# Allegro board Learn.brd (continued)
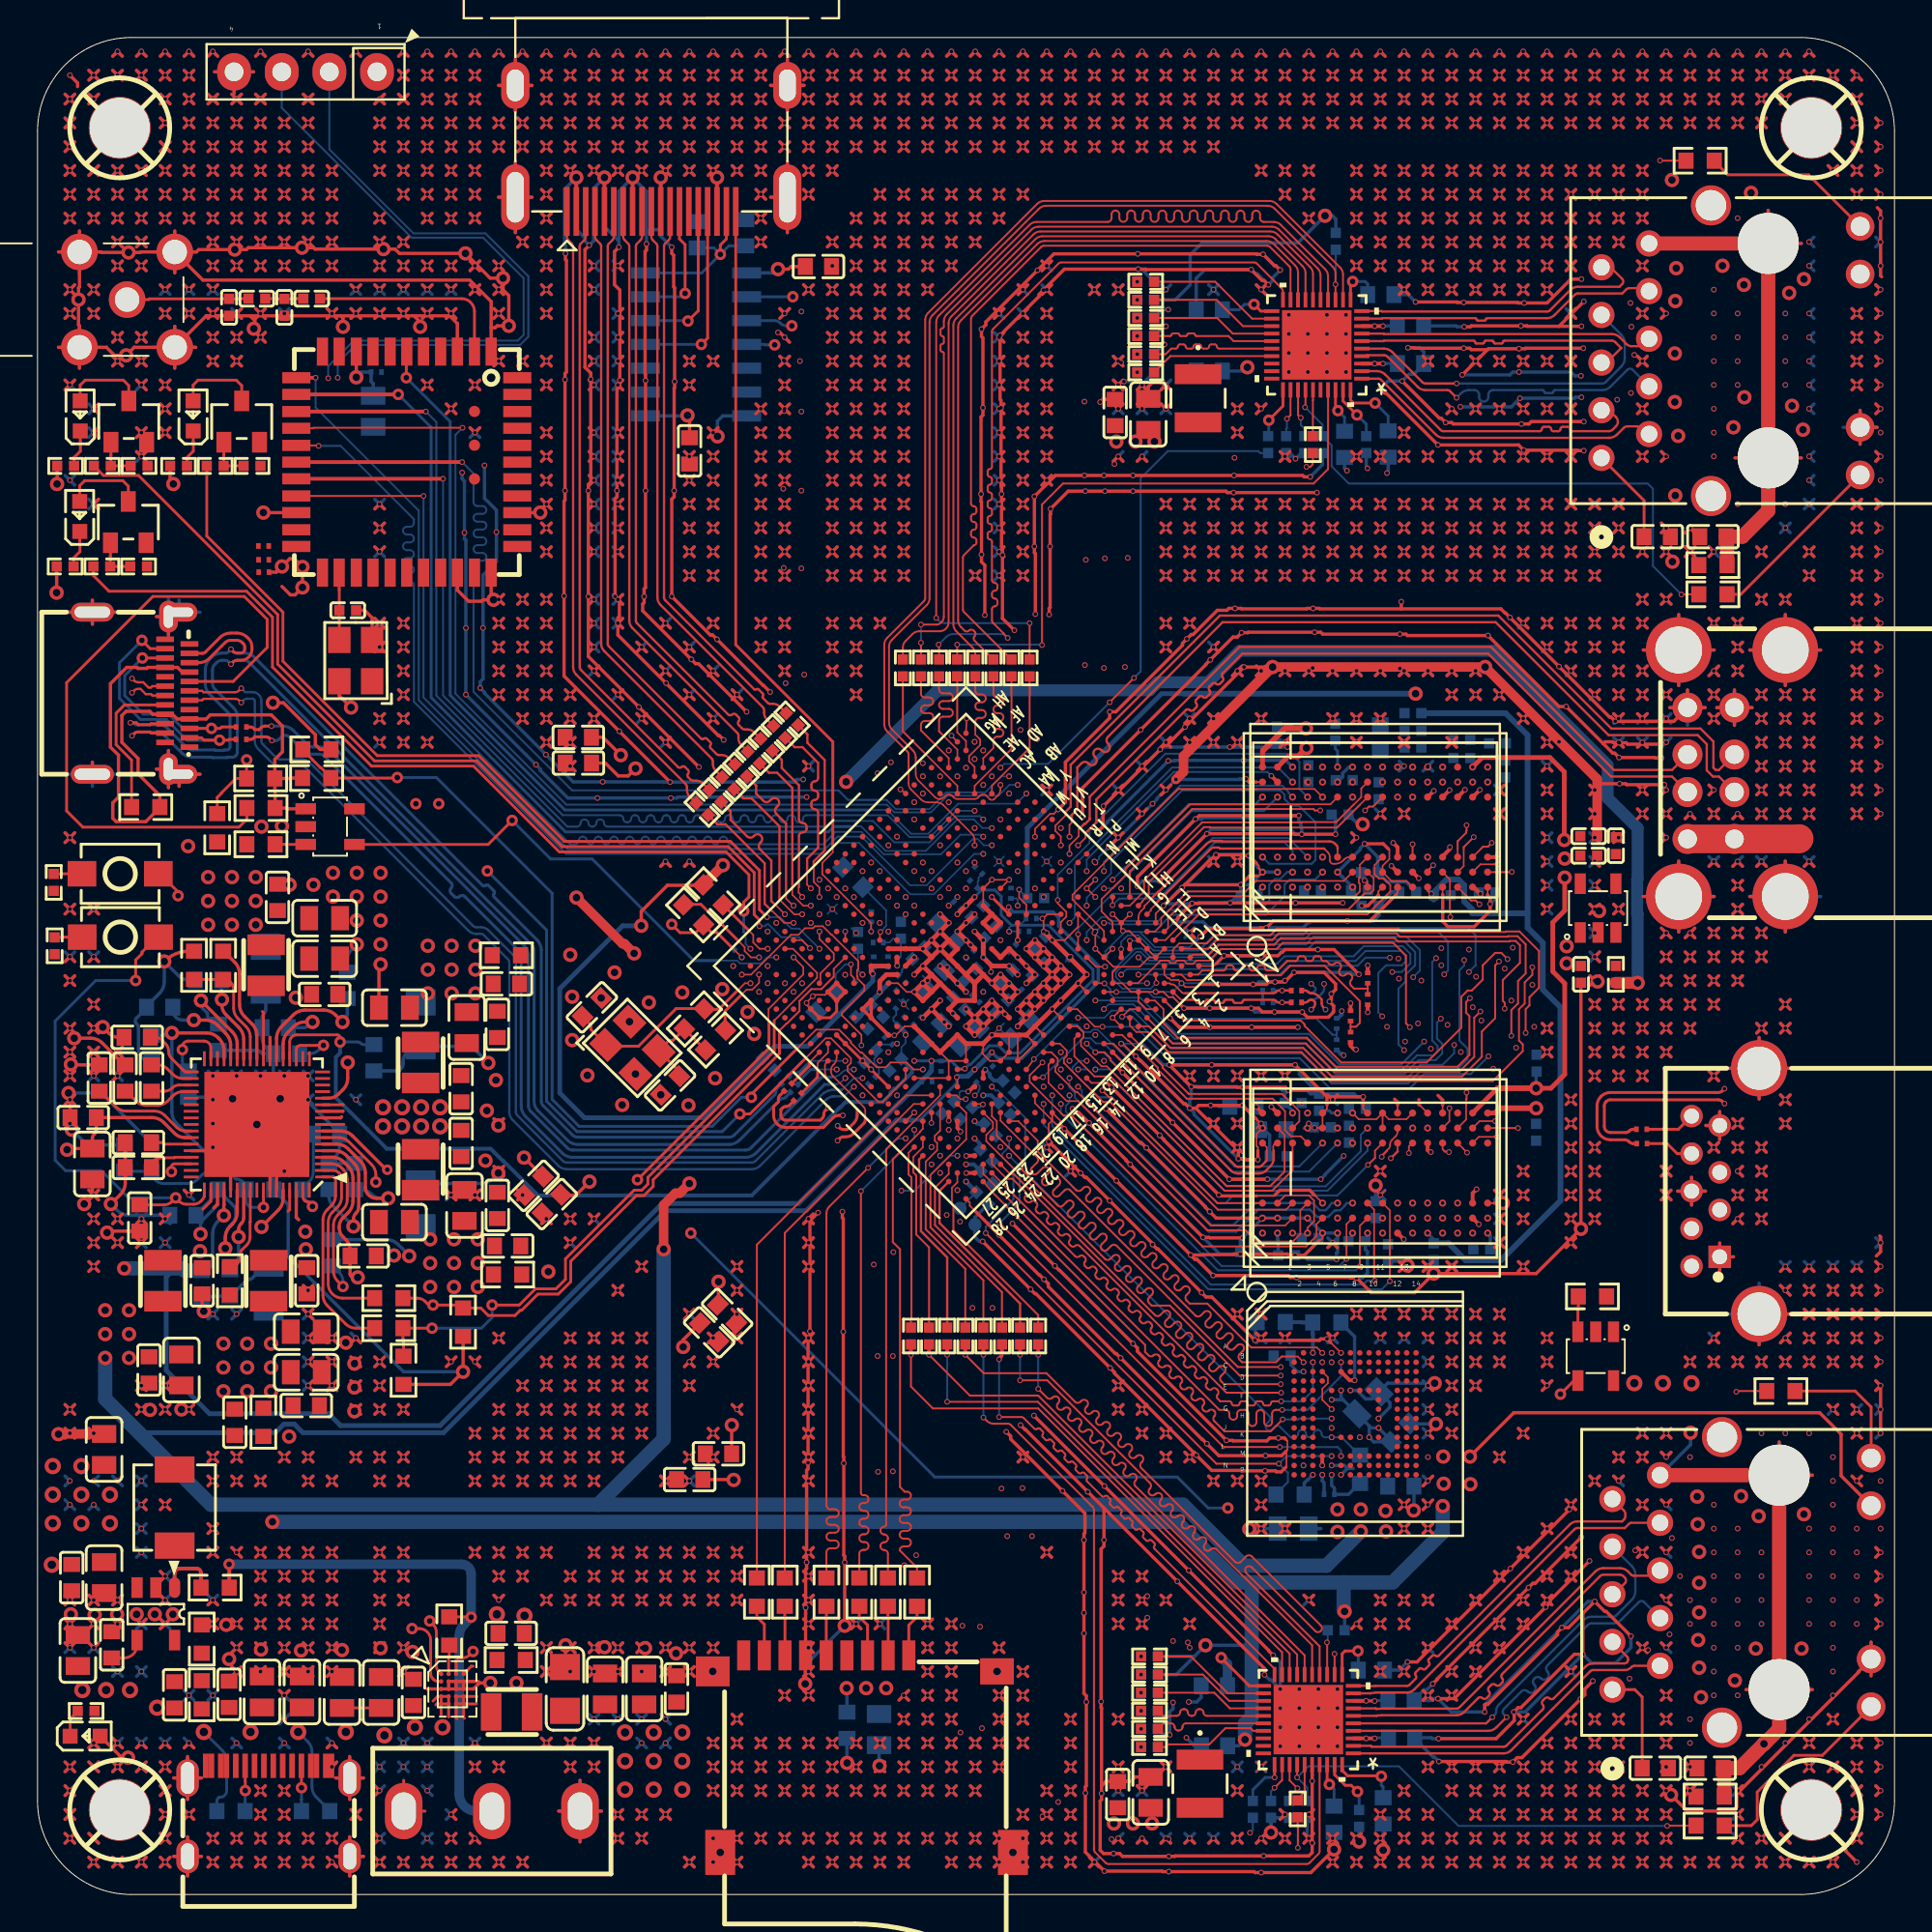
[diagram p0: board, top side]
## Routing (per net, layer and track width the routed paths; a pad name or vN(x,y) marks a point on that pad's centre or on a via; arc(x,y) is an arc through that point) (continued)
U1.2 16.64,7.35 ; 29.41,13.41 v1(29.66,13.15) ; v1(29.66,13.15) 29.41,12.9 ; v1(29.66,13.15) 29.92,12.9 ; v1(29.66,13.15) 29.92,13.41 ; v1(69.03,74.11) 69.29,74.37 ; v1(69.03,74.11) 68.78,73.86 ; v1(69.03,74.11) 68.78,74.37 ; v1(69.03,74.11) 69.29,73.86 ; 12.39,39.63 12.74,39.28 U4.63 ; 12.39,39.63 U4.62 ; v1(86.81,15.69) 87.07,15.44 ; v1(86.81,15.69) 87.07,15.95 ; v1(86.81,15.69) 86.56,15.95 ; v1(42.36,76.65) 42.62,76.91 ; v1(42.36,76.65) 42.11,76.91 ; v1(42.36,76.65) 42.11,76.4 ; v1(42.36,76.65) 42.62,76.4 ; 72.59,76.4 v1(72.84,76.65) ; v1(72.84,76.65) 72.59,76.91 ; v1(72.84,76.65) 73.1,76.91 ; v1(72.84,76.65) 73.1,76.4 ; 33.73,54.81 v1(33.47,55.06) 33.22,54.81 ; 51.51,83.26 v1(51.25,83) 51.51,82.75 ; 76.4,85.29 v1(76.65,85.54) ; v1(76.65,85.54) 76.91,85.29 ; v1(76.65,85.54) 76.91,85.8 ; v1(76.65,85.54) 76.4,85.8 ; 23.06,7.82 v1(23.31,8.07) 23.57,7.82 ; v1(80.46,19.5) 80.72,19.25 ; v1(80.46,19.5) 80.21,19.76 ; v1(80.46,19.5) 80.72,19.76 ; v1(80.46,19.5) 80.21,19.25 ; 30.68,24.33 v1(30.93,24.58) ; v1(30.93,24.58) 30.68,24.84 ; v1(30.93,24.58) 31.19,24.84 ; v1(30.93,24.58) 31.19,24.33 ; v1(90.62,36.01) 90.88,36.27 ; v1(90.62,36.01) 90.88,35.76 ; v1(90.62,36.01) 90.37,35.76 ; 81.48,79.45 v1(81.73,79.19) ; v1(81.73,79.19) 81.48,78.94 ; v1(81.73,79.19) 81.99,79.45 ; v1(81.73,79.19) 81.99,78.94 ; 73.86,72.59 v1(74.11,72.84) ; v1(74.11,72.84) 74.37,73.1 ; v1(74.11,72.84) 74.37,72.59 ; v1(74.11,72.84) 73.86,73.1 ; 24.33,38.3 v1(24.58,38.55) ; v1(24.58,38.55) 24.33,38.81 ; v1(24.58,38.55) 24.84,38.81 ; v1(24.58,38.55) 24.84,38.3 ; v1(80.46,76.65) 80.72,76.4 ; v1(80.46,76.65) 80.21,76.4 ; v1(80.46,76.65) 80.72,76.91 ; v1(80.46,76.65) 80.21,76.91 ; 9.09,89.1 v1(9.34,89.35) ; v1(9.34,89.35) 9.6,89.61 ; v1(9.34,89.35) 9.09,89.61 ; v1(9.34,89.35) 9.6,89.1 ; 6.55,85.8 v1(6.8,85.54) 7.06,85.8 ; 35.76,7.82 v1(36.01,8.07) ; v1(36.01,8.07) 35.76,8.33 ; v1(36.01,8.07) 36.27,8.33 ; v1(36.01,8.07) 36.27,7.82 ; 45.92,8.33 v1(46.17,8.07) ; v1(46.17,8.07) 45.92,7.82 ; v1(46.17,8.07) 46.43,8.33 ; v1(46.17,8.07) 46.43,7.82 ; v1(15.69,88.08) 15.95,87.83 ; v1(15.69,88.08) 15.44,87.83 ; v1(15.69,88.08) 15.44,88.34 ; v1(15.69,88.08) 15.95,88.34 ; 85.8,97.99 v1(85.54,98.24) 85.29,97.99 ; 80.21,70.56 v1(80.46,70.3) ; v1(80.46,70.3) 80.21,70.05 ; v1(80.46,70.3) 80.72,70.05 ; v1(80.46,70.3) 80.72,70.56 ; 52.27,85.8 v1(52.52,85.54) ; v1(52.52,85.54) 52.78,85.8 ; v1(52.52,85.54) 52.27,85.29 ; 43.38,70.56 v1(43.63,70.3) ; v1(43.63,70.3) 43.89,70.05 ; v1(43.63,70.3) 43.38,70.05 ; v1(43.63,70.3) 43.89,70.56 ; 53.54,96.72 v1(53.79,96.97) ; v1(53.79,96.97) 53.54,97.23 ; v1(53.79,96.97) 54.05,97.23 ; v1(53.79,96.97) 54.05,96.72 ; v1(29.66,96.97) 29.92,97.23 ; v1(29.66,96.97) 29.41,96.72 ; v1(29.66,96.97) 29.41,97.23 ; v1(29.66,96.97) 29.92,96.72 ; 35.76,95.96 v1(36.01,95.7) ; v1(36.01,95.7) 36.27,95.45 ; v1(36.01,95.7) 36.27,95.96 ; v1(36.01,95.7) 35.76,95.45 ; v1(15.69,29.66) 15.95,29.41 ; v1(15.69,29.66) 15.44,29.41 ; v1(15.69,29.66) 15.44,29.92 ; v1(15.69,29.66) 15.95,29.92 ; v1(2.99,47.44) 3.25,47.19 ; v1(2.99,47.44) 3.25,47.7 ; v1(2.99,47.44) 2.74,47.7 ; v1(2.99,47.44) 2.74,47.19 ; 67.51,89.1 v1(67.76,89.35) ; v1(67.76,89.35) 68.02,89.61 ; v1(67.76,89.35) 68.02,89.1 ; v1(67.76,89.35) 67.51,89.61 ; 35.76,94.18 v1(36.01,94.43) ; v1(36.01,94.43) 36.27,94.69 ; v1(36.01,94.43) 36.27,94.18 ; v1(36.01,94.43) 35.76,94.69 ; 15.44,91.64 v1(15.69,91.89) ; v1(15.69,91.89) 15.95,91.64 ; v1(15.69,91.89) 15.95,92.15 ; v1(15.69,91.89) 15.44,92.15 ; 37.03,33.73 v1(37.28,33.47) ; v1(37.28,33.47) 37.03,33.22 ; v1(37.28,33.47) 37.54,33.73 ; v1(37.28,33.47) 37.54,33.22 ; v1(53.79,80.46) 54.05,80.21 ; v1(53.79,80.46) 54.05,80.72 ; v1(53.79,80.46) 53.54,80.72 ; v1(53.79,80.46) 53.54,80.21 ; v1(83,1.72) 83.26,1.47 ; v1(83,1.72) 82.75,1.98 ; v1(83,1.72) 82.75,1.47 ; v1(83,1.72) 83.26,1.98 ; 9.09,15.44 v1(9.34,15.69) 9.6,15.44 ; 37.03,7.06 v1(37.28,6.8) ; v1(37.28,6.8) 37.54,6.55 ; v1(37.28,6.8) 37.54,7.06 ; v1(37.28,6.8) 37.03,6.55 ; 39.57,84.53 v1(39.82,84.27) ; v1(39.82,84.27) 39.57,84.02 ; v1(39.82,84.27) 40.08,84.53 ; v1(9.34,22.04) 9.6,22.3 ; v1(9.34,22.04) 9.09,21.79 ; v1(9.34,22.04) 9.09,22.3 ; v1(9.34,22.04) 9.6,21.79 ; 97.99,72.59 v1(98.24,72.84) 97.99,73.1 ; v1(77.92,74.11) 78.18,73.86 ; v1(77.92,74.11) 77.67,74.37 ; v1(77.92,74.11) 77.67,73.86 ; v1(77.92,74.11) 78.18,74.37 ; v1(30.93,63.95) 31.19,64.21 ; v1(30.93,63.95) 31.19,63.7 ; v1(30.93,63.95) 30.68,64.21 ; 61.16,94.69 v1(61.41,94.43) ; v1(61.41,94.43) 61.67,94.18 ; v1(61.41,94.43) 61.16,94.18 ; v1(61.41,94.43) 61.67,94.69 ; v1(75.38,94.43) 75.64,94.69 ; v1(75.38,94.43) 75.13,94.69 ; v1(75.38,94.43) 75.13,94.18 ; v1(75.38,94.43) 75.64,94.18 ; v1(72.84,61.41) 73.1,61.16 ; v1(72.84,61.41) 73.1,61.67 ; v1(72.84,61.41) 72.59,61.67 ; v1(72.84,61.41) 72.59,61.16 ; v1(37.28,15.69) 37.54,15.95 ; v1(37.28,15.69) 37.54,15.44 ; v1(37.28,15.69) 37.03,15.44 ; v1(37.28,15.69) 37.03,15.95 ; 48.46,86.56 v1(48.71,86.81) ; v1(48.71,86.81) 48.46,87.07 ; v1(48.71,86.81) 48.97,86.56 ; v1(48.71,86.81) 48.97,87.07 ; v1(41.09,22.04) 41.35,22.3 ; v1(41.09,22.04) 41.35,21.79 ; v1(41.09,22.04) 40.84,22.3 ; v1(41.09,22.04) 40.84,21.79 ; v1(42.36,70.3) 42.62,70.56 ; v1(42.36,70.3) 42.62,70.05 ; v1(42.36,70.3) 42.11,70.56 ; v1(42.36,70.3) 42.11,70.05 ; v1(29.66,91.89) 29.92,92.15 ; v1(29.66,91.89) 29.92,91.64 ; v1(29.66,91.89) 29.41,92.15 ; v1(29.66,91.89) 29.41,91.64 ; 76.4,26.87 v1(76.65,27.12) ; v1(76.65,27.12) 76.91,26.87 ; v1(76.65,27.12) 76.4,27.38 ; v1(76.65,27.12) 76.91,27.38 ; v1(42.36,80.46) 42.62,80.72 ; v1(42.36,80.46) 42.11,80.72 ; v1(42.36,80.46) 42.11,80.21 ; v1(42.36,80.46) 42.62,80.21 ; 71.32,90.88 v1(71.57,90.62) ; v1(71.57,90.62) 71.83,90.37 ; v1(71.57,90.62) 71.32,90.37 ; v1(71.57,90.62) 71.83,90.88 ; 96.72,65.48 v1(96.97,65.22) ; v1(96.97,65.22) 97.23,64.97 ; v1(96.97,65.22) 96.72,64.97 ; v1(96.97,65.22) 97.23,65.48 ; v1(96.97,62.68) 97.23,62.94 ; v1(96.97,62.68) 97.23,62.43 ; v1(96.97,62.68) 96.72,62.94 ; v1(96.97,62.68) 96.72,62.43 ; v1(37.28,32.2) 37.54,32.46 ; v1(37.28,32.2) 37.03,31.95 ; v1(37.28,32.2) 37.03,32.46 ; v1(37.28,32.2) 37.54,31.95 ; 5.79,20.52 v1(5.53,20.77) 5.79,21.03 ; 34.49,95.96 v1(34.74,95.7) ; v1(34.74,95.7) 34.49,95.45 ; v1(34.74,95.7) 35,95.96 ; v1(34.74,95.7) 35,95.45 ; 17.98,3.25 v1(18.23,2.99) 17.98,2.74 ; v1(5.53,80.46) 5.79,80.21 ; v1(5.53,80.46) 5.79,80.72 ; v1(5.53,80.46) 5.28,80.72 ; v1(77.92,88.08) 78.18,87.83 ; v1(77.92,88.08) 77.67,88.34 ; v1(77.92,88.08) 77.67,87.83 ; v1(77.92,88.08) 78.18,88.34 ; 44.65,67.51 v1(44.9,67.76) ; v1(44.9,67.76) 44.65,68.02 ; v1(44.9,67.76) 45.16,67.51 ; v1(44.9,67.76) 45.16,68.02 ; v1(37.28,1.72) 37.54,1.47 ; v1(37.28,1.72) 37.54,1.98 ; v1(37.28,1.72) 37.03,1.98 ; v1(37.28,1.72) 37.03,1.47 ; v1(86.81,96.97) 87.07,97.23 ; v1(86.81,96.97) 86.56,96.72 ; v1(86.81,96.97) 86.56,97.23 ; v1(86.81,96.97) 87.07,96.72 ; 30.68,95.96 v1(30.93,95.7) ; v1(30.93,95.7) 31.19,95.96 ; v1(30.93,95.7) 31.19,95.45 ; v1(30.93,95.7) 30.68,95.45 ; 3.25,78.18 v1(2.99,77.92) 3.25,77.67 ; 74.37,26.87 v1(74.11,27.12) 74.37,27.38 ; v1(96.97,2.99) 97.23,2.74 ; v1(96.97,2.99) 96.72,3.25 ; v1(96.97,2.99) 96.72,2.74 ; v1(96.97,2.99) 97.23,3.25 ; v1(85.54,84.27) 85.8,84.53 ; v1(85.54,84.27) 85.29,84.02 ; v1(85.54,84.27) 85.29,84.53 ; v1(85.54,84.27) 85.8,84.02 ; v1(85.54,24.58) 85.8,24.33 ; v1(85.54,24.58) 85.29,24.84 ; v1(85.54,24.58) 85.29,24.33 ; v1(85.54,24.58) 85.8,24.84 ; 73.86,74.37 v1(74.11,74.11) ; v1(74.11,74.11) 74.37,73.86 ; v1(74.11,74.11) 73.86,73.86 ; v1(74.11,74.11) 74.37,74.37 ; 15.44,87.07 v1(15.69,86.81) ; v1(15.69,86.81) 15.44,86.56 ; v1(15.69,86.81) 15.95,86.56 ; v1(15.69,86.81) 15.95,87.07 ; v1(72.84,33.47) 73.1,33.73 ; v1(72.84,33.47) 73.1,33.22 ; v1(72.84,33.47) 72.59,33.22 ; v1(72.84,33.47) 72.59,33.73 ; 71.32,94.69 v1(71.57,94.43) ; v1(71.57,94.43) 71.32,94.18 ; v1(71.57,94.43) 71.83,94.18 ; v1(71.57,94.43) 71.83,94.69 ; v1(61.47,34.09) 62.11,34.09 62.13,34.11 63.75,34.11 63.78,34.14 v1(64.11,34.14) 66.63,34.14 66.7,34.06 v1(67.03,34.06) 67.51,34.06 68.3,34.85 ; v1(61.47,34.09) v1(57.51,38.05) v1(55.47,40.08) v1(54.74,40.82) 54.51,41.04 ; v1(61.47,34.09) 61.7,33.85 61.8,33.85 v1(62.66,32.99) 66.68,32.99 66.78,32.89 v1(67.11,32.89) 69.95,32.89 69.98,32.87 v1(70.31,32.87) 71.09,32.08 73.41,32.08 v3(74.42,33.1) 79.88,33.1 v3(82.27,35.48) C116.2 ; 38.3,77.67 v1(38.55,77.92) ; v1(38.55,77.92) 38.81,77.67 ; v1(38.55,77.92) 38.81,78.18 ; v1(38.55,77.92) 38.3,78.18 ; 90.37,94.18 v1(90.62,94.43) ; v1(90.62,94.43) 90.88,94.69 ; v1(90.62,94.43) 90.88,94.18 ; v1(90.62,94.43) 90.37,94.69 ; v1(29.66,27.12) 29.92,26.87 ; v1(29.66,27.12) 29.41,27.38 ; v1(29.66,27.12) 29.92,27.38 ; v1(29.66,27.12) 29.41,26.87 ; 51.51,80.21 v1(51.25,80.46) 51.51,80.72 ; v1(71.57,86.81) 71.83,86.56 ; v1(71.57,86.81) 71.83,87.07 ; v1(71.57,86.81) 71.32,87.07 ; v1(71.57,86.81) 71.32,86.56 ; v1(74.11,81.73) 74.37,81.48 ; v1(74.11,81.73) 73.86,81.99 ; v1(74.11,81.73) 73.86,81.48 ; v1(74.11,81.73) 74.37,81.99 ; v1(63.95,95.7) 64.21,95.96 ; v1(63.95,95.7) 63.7,95.45 ; v1(63.95,95.7) 63.7,95.96 ; v1(63.95,95.7) 64.21,95.45 ; v1(89.35,63.95) 89.61,64.21 ; v1(89.35,63.95) 89.61,63.7 ; v1(89.35,63.95) 89.1,63.7 ; v1(89.35,63.95) 89.1,64.21 ; v1(39.05,64.1) 38.71,64.44 38.68,64.44 v1(36.22,66.9) 35.99,67.14 35.86,67.14 v1(33.81,69.19) 33.81,74.37 33.93,74.5 v1(33.93,74.83) 33.93,80.29 33.96,80.32 v1(33.96,80.64) 33.96,85.65 33.91,85.7 33.91,87.38 33.81,87.48 v1(33.81,87.81) ; v1(77.92,37.28) 78.18,37.54 ; v1(77.92,37.28) 77.67,37.54 ; v1(77.92,37.28) 78.18,37.03 ; 4.01,6.55 v1(4.26,6.8) ; v1(4.26,6.8) 4.52,6.55 ; v1(4.26,6.8) 4.01,7.06 ; v1(4.26,6.8) 4.52,7.06 ; 29.41,92.91 v1(29.66,93.16) ; v1(29.66,93.16) 29.41,93.42 ; v1(29.66,93.16) 29.92,92.91 ; v1(29.66,93.16) 29.92,93.42 ; 31.95,15.95 v1(32.2,15.69) ; v1(32.2,15.69) 32.46,15.95 ; v1(32.2,15.69) 32.46,15.44 ; v1(32.2,15.69) 31.95,15.44 ; 86.56,38.81 v1(86.81,38.55) ; v1(86.81,38.55) 87.07,38.81 ; v1(86.81,38.55) 86.56,38.3 ; v1(86.81,38.55) 87.07,38.3 ; 39.57,7.06 v1(39.82,6.8) ; v1(39.82,6.8) 39.57,6.55 ; v1(39.82,6.8) 40.08,6.55 ; v1(39.82,6.8) 40.08,7.06 ; v1(52.52,77.92) 52.78,78.18 ; v1(52.52,77.92) 52.27,78.18 ; v1(52.52,77.92) 52.78,77.67 ; v1(52.52,77.92) 52.27,77.67 ; 7.82,26.11 v1(8.07,25.85) ; v1(8.07,25.85) 7.82,25.6 ; v1(8.07,25.85) 8.33,25.6 ; v1(8.07,25.85) 8.33,26.11 ; 51.51,81.99 v1(51.25,81.73) 51.51,81.48 ; v1(63.95,72.84) 64.21,73.1 ; v1(63.95,72.84) 63.7,72.59 ; v1(63.95,72.84) 64.21,72.59 ; v1(63.95,72.84) 63.7,73.1 ; v1(75.38,25.85) 75.64,26.11 ; v1(75.38,25.85) 75.64,25.6 ; v1(75.38,25.85) 75.13,26.11 ; v1(75.38,25.85) 75.13,25.6 ; v1(46.17,83) 46.43,83.26 ; v1(46.17,83) 46.43,82.75 ; v1(46.17,83) 45.92,82.75 ; v1(46.17,83) 45.92,83.26 ; 90.13,44.04 U21.11 ; U21.11 91.77,45.68 ; U21.11 91.77,42.4 ; U21.11 93.41,44.04 ; 53.54,84.02 v1(53.79,84.27) ; v1(53.79,84.27) 54.05,84.53 ; v1(53.79,84.27) 53.54,84.53 ; v1(53.79,84.27) 54.05,84.02 ; 85.29,1.98 v1(85.54,1.72) ; v1(85.54,1.72) 85.8,1.98 ; v1(85.54,1.72) 85.29,1.47 ; v1(85.54,1.72) 85.8,1.47 ; 97.15,77.3 U14.12 ; U14.12 98.06,78.21 ; U14.12 97.15,79.11 ; v1(81.73,41.09) 81.99,40.84 ; v1(81.73,41.09) 81.48,41.35 ; v1(81.73,41.09) 81.99,41.35 ; v1(81.73,41.09) 81.48,40.84 ; 44.65,81.48 v1(44.9,81.73) ; v1(44.9,81.73) 45.16,81.99 ; v1(44.9,81.73) 45.16,81.48 ; v1(44.9,81.73) 44.65,81.99 ; 84.02,43.89 v1(84.27,43.63) ; v1(84.27,43.63) 84.53,43.89 ; v1(84.27,43.63) 84.53,43.38 ; v1(84.27,43.63) 84.02,43.38 ; v1(24.58,94.43) 24.84,94.18 ; v1(24.58,94.43) 24.84,94.69 ; v1(24.58,94.43) 24.33,94.69 ; v1(24.58,94.43) 24.33,94.18 ; v1(65.22,65.22) 65.48,65.48 ; v1(65.22,65.22) 65.48,64.97 ; v1(65.22,65.22) 64.97,65.48 ; v1(65.22,65.22) 64.97,64.97 ; 24.84,97.99 v1(24.58,98.24) 24.33,97.99 ; v1(25.85,22.04) 26.11,21.79 ; v1(25.85,22.04) 25.6,22.3 ; v1(25.85,22.04) 26.11,22.3 ; v1(25.85,22.04) 25.6,21.79 ; 78.94,36.27 v1(79.19,36.01) ; v1(79.19,36.01) 79.45,36.27 ; v1(79.19,36.01) 79.45,35.76 ; v1(79.19,36.01) 78.94,35.76 ; 19.25,84.02 v1(19.5,84.27) ; v1(19.5,84.27) 19.25,84.53 ; v1(19.5,84.27) 19.76,84.53 ; v1(19.5,84.27) 19.76,84.02 ; v1(52.52,4.26) 52.78,4.01 ; v1(52.52,4.26) 52.27,4.01 ; v1(52.52,4.26) 52.27,4.52 ; v1(52.52,4.26) 52.78,4.52 ; v1(73.46,84.89) 75.67,84.89 75.69,84.86 v1(76.02,84.86) 78.89,84.86 78.92,84.84 v1(79.25,84.84) 80.47,84.84 81.74,86.11 v1(82.3,86.11) ; 62.43,62.94 v1(62.68,62.68) ; v1(62.68,62.68) 62.94,62.43 ; v1(62.68,62.68) 62.43,62.43 ; v1(62.68,62.68) 62.94,62.94 ; 7.82,93.42 v1(8.07,93.16) ; v1(8.07,93.16) 8.33,93.42 ; v1(8.07,93.16) 8.33,92.91 ; v1(8.07,93.16) 7.82,92.91 ; v1(32.2,29.66) 32.46,29.41 ; v1(32.2,29.66) 31.95,29.41 ; v1(32.2,29.66) 32.46,29.92 ; v1(32.2,29.66) 31.95,29.92 ; 31.95,96.72 v1(32.2,96.97) ; v1(32.2,96.97) 32.46,96.72 ; v1(32.2,96.97) 32.46,97.23 ; v1(32.2,96.97) 31.95,97.23 ; 84.02,3.25 v1(84.27,2.99) ; v1(84.27,2.99) 84.53,3.25 ; v1(84.27,2.99) 84.53,2.74 ; v1(84.27,2.99) 84.02,2.74 ; 45.92,5.79 v1(46.17,5.53) ; v1(46.17,5.53) 45.92,5.28 ; v1(46.17,5.53) 46.43,5.28 ; v1(46.17,5.53) 46.43,5.79 ; 28.14,15.95 v1(28.39,15.69) ; v1(28.39,15.69) 28.65,15.95 ; v1(28.39,15.69) 28.65,15.44 ; v1(28.39,15.69) 28.14,15.44 ; 25.6,94.69 v1(25.85,94.43) ; v1(25.85,94.43) 26.11,94.18 ; v1(25.85,94.43) 26.11,94.69 ; v1(25.85,94.43) 25.6,94.18 ; v1(76.65,90.62) 76.91,90.88 ; v1(76.65,90.62) 76.91,90.37 ; v1(76.65,90.62) 76.4,90.37 ; v1(76.65,90.62) 76.4,90.88 ; 97.99,15.44 v1(98.24,15.69) 97.99,15.95 ; v1(79.19,18.23) 79.45,17.98 ; v1(79.19,18.23) 78.94,18.49 ; v1(79.19,18.23) 78.94,17.98 ; v1(79.19,18.23) 79.45,18.49 ; v1(41.09,18.23) 41.35,17.98 ; v1(41.09,18.23) 40.84,18.49 ; v1(41.09,18.23) 40.84,17.98 ; v1(41.09,18.23) 41.35,18.49 ; 71.32,95.96 v1(71.57,95.7) ; v1(71.57,95.7) 71.83,95.96 ; v1(71.57,95.7) 71.83,95.45 ; v1(71.57,95.7) 71.32,95.45 ; v1(72.84,14.42) 73.1,14.68 ; v1(72.84,14.42) 72.59,14.17 ; v1(72.84,14.42) 72.59,14.68 ; v1(72.84,14.42) 73.1,14.17 ; 86.56,13.41 v1(86.81,13.15) 87.07,13.41 ; 47.19,14.68 v1(47.44,14.42) ; v1(47.44,14.42) 47.7,14.17 ; v1(47.44,14.42) 47.19,14.17 ; v1(47.44,14.42) 47.7,14.68 ; v1(15.69,16.96) 15.95,16.71 ; v1(15.69,16.96) 15.95,17.22 ; v1(15.69,16.96) 15.44,16.71 ; v1(15.69,16.96) 15.44,17.22 ; v1(52.52,8.07) 52.78,7.82 ; v1(52.52,8.07) 52.27,8.33 ; v1(52.52,8.07) 52.78,8.33 ; v1(52.52,8.07) 52.27,7.82 ; 73.86,85.8 v1(74.11,85.54) ; v1(74.11,85.54) 73.86,85.29 ; v1(74.11,85.54) 74.37,85.29 ; v1(74.11,85.54) 74.37,85.8 ; 59.89,97.99 v1(60.14,98.24) 60.4,97.99 ; 75.13,74.37 v1(75.38,74.11) ; v1(75.38,74.11) 75.13,73.86 ; v1(75.38,74.11) 75.64,73.86 ; v1(75.38,74.11) 75.64,74.37 ; v1(34.74,1.72) 35,1.98 ; v1(34.74,1.72) 34.49,1.47 ; v1(34.74,1.72) 34.49,1.98 ; v1(34.74,1.72) 35,1.47 ; 20.52,1.47 v1(20.77,1.72) ; v1(20.77,1.72) 20.52,1.98 ; v1(20.77,1.72) 21.03,1.98 ; v1(20.77,1.72) 21.03,1.47 ; 29.41,66.24 v1(29.66,66.49) 29.41,66.75 ; v1(49.98,88.08) 50.24,88.34 ; v1(49.98,88.08) 49.73,87.83 ; v1(49.98,88.08) 50.24,87.83 ; v1(49.98,88.08) 49.73,88.34 ; v1(93.16,96.97) 93.42,97.23 ; v1(93.16,96.97) 92.91,97.23 ; v1(93.16,96.97) 93.42,96.72 ; v1(93.16,96.97) 92.91,96.72 ; v1(35.26,60.1) v1(32.05,63.3) 29.36,65.99 v1(29.36,69.19) v1(29.36,74.83) 29.36,75.16 29.49,75.28 v1(29.49,80.77) 29.49,81.1 29.18,81.41 29.18,87.68 v1(29.41,87.91) ; v1(91.89,71.57) 92.15,71.32 ; v1(91.89,71.57) 91.64,71.32 ; v1(91.89,71.57) 92.15,71.83 ; v1(91.89,71.57) 91.64,71.83 ; 73.1,97.99 v1(72.84,98.24) 72.59,97.99 ; 71.32,12.9 v1(71.57,13.15) ; v1(71.57,13.15) 71.83,13.41 ; v1(71.57,13.15) 71.83,12.9 ; v1(71.57,13.15) 71.32,13.41 ; v1(72.84,88.08) 73.1,88.34 ; v1(72.84,88.08) 72.59,87.83 ; v1(72.84,88.08) 73.1,87.83 ; v1(72.84,88.08) 72.59,88.34 ; 64.97,43.89 v1(65.22,43.63) ; v1(65.22,43.63) 64.97,43.38 ; v1(65.22,43.63) 65.48,43.38 ; v1(65.22,43.63) 65.48,43.89 ; v1(13.15,5.53) 13.41,5.28 ; v1(13.15,5.53) 12.9,5.79 ; v1(13.15,5.53) 13.41,5.79 ; v1(13.15,5.53) 12.9,5.28 ; 51.51,78.18 v1(51.25,77.92) 51.51,77.67 ; 58.35,44.88 v1(58.55,44.68) 58.78,44.45 58.8,44.45 61.11,42.14 61.19,42.14 v1(61.42,41.91) 61.75,41.91 ; 77.67,57.86 v1(77.92,57.6) ; v1(77.92,57.6) 78.18,57.35 ; v1(77.92,57.6) 78.18,57.86 ; v1(77.92,57.6) 77.67,57.35 ; v1(13.15,14.42) 13.41,14.68 ; v1(13.15,14.42) 12.9,14.68 ; v1(13.15,14.42) 12.9,14.17 ; v1(13.15,14.42) 13.41,14.17 ; v1(43.63,79.19) 43.89,79.45 ; v1(43.63,79.19) 43.89,78.94 ; v1(43.63,79.19) 43.38,79.45 ; v1(43.63,79.19) 43.38,78.94 ; 84.02,71.32 v1(84.27,71.57) ; v1(84.27,71.57) 84.53,71.83 ; v1(84.27,71.57) 84.02,71.83 ; v1(84.27,71.57) 84.53,71.32 ; v1(85.54,4.26) 85.8,4.01 ; v1(85.54,4.26) 85.29,4.52 ; v1(85.54,4.26) 85.29,4.01 ; v1(85.54,4.26) 85.8,4.52 ; 52.27,80.72 v1(52.52,80.46) ; v1(52.52,80.46) 52.78,80.72 ; v1(52.52,80.46) 52.27,80.21 ; v1(52.52,80.46) 52.78,80.21 ; 28.14,7.82 v1(28.39,8.07) ; v1(28.39,8.07) 28.65,7.82 ; v1(28.39,8.07) 28.14,8.33 ; v1(28.39,8.07) 28.65,8.33 ; 81.48,87.83 v1(81.73,88.08) ; v1(81.73,88.08) 81.48,88.34 ; v1(81.73,88.08) 81.99,88.34 ; v1(81.73,88.08) 81.99,87.83 ; 78.94,4.01 v1(79.19,4.26) ; v1(79.19,4.26) 78.94,4.52 ; v1(79.19,4.26) 79.45,4.52 ; v1(79.19,4.26) 79.45,4.01 ; v1(75.38,71.57) 75.64,71.83 ; v1(75.38,71.57) 75.13,71.32 ; v1(75.38,71.57) 75.64,71.32 ; v1(75.38,71.57) 75.13,71.83 ; 68.78,96.72 v1(69.03,96.97) ; v1(69.03,96.97) 69.29,97.23 ; v1(69.03,96.97) 69.29,96.72 ; v1(69.03,96.97) 68.78,97.23 ; v1(24.58,86.81) 24.84,87.07 ; v1(24.58,86.81) 24.84,86.56 ; v1(24.58,86.81) 24.33,87.07 ; v1(24.58,86.81) 24.33,86.56 ; 68.78,34.49 v1(69.03,34.74) 69.29,34.49 ; v1(4.26,90.62) 4.52,90.37 ; v1(4.26,90.62) 4.01,90.37 ; v1(4.26,90.62) 4.01,90.88 ; v1(4.26,90.62) 4.52,90.88 ; v1(74.11,70.3) 74.37,70.05 ; v1(74.11,70.3) 73.86,70.56 ; v1(74.11,70.3) 73.86,70.05 ; v1(74.11,70.3) 74.37,70.56 ; v1(1.72,41.09) 1.98,40.84 ; v1(1.72,41.09) 1.47,41.35 ; v1(1.72,41.09) 1.98,41.35 ; v1(1.72,41.09) 1.47,40.84 ; 45.92,76.91 v1(46.17,76.65) ; v1(46.17,76.65) 45.92,76.4 ; v1(46.17,76.65) 46.43,76.91 ; v1(46.17,76.65) 46.43,76.4 ; 85.29,87.07 v1(85.54,86.81) ; v1(85.54,86.81) 85.8,86.56 ; v1(85.54,86.81) 85.29,86.56 ; v1(85.54,86.81) 85.8,87.07 ; 76.4,1.98 v1(76.65,1.72) ; v1(76.65,1.72) 76.91,1.47 ; v1(76.65,1.72) 76.4,1.47 ; v1(76.65,1.72) 76.91,1.98 ; 90.88,38.81 v1(90.62,38.55) 90.88,38.3 ; 61.16,73.1 v1(61.41,72.84) ; v1(61.41,72.84) 61.16,72.59 ; v1(61.41,72.84) 61.67,73.1 ; v1(61.41,72.84) 61.67,72.59 ; v1(14.42,90.62) 14.68,90.88 ; v1(14.42,90.62) 14.17,90.88 ; v1(14.42,90.62) 14.68,90.37 ; v1(14.42,90.62) 14.17,90.37 ; 96.72,57.35 v1(96.97,57.6) ; v1(96.97,57.6) 97.23,57.35 ; v1(96.97,57.6) 97.23,57.86 ; v1(96.97,57.6) 96.72,57.86 ; v1(37.28,29.66) 37.54,29.92 ; v1(37.28,29.66) 37.03,29.41 ; v1(37.28,29.66) 37.54,29.41 ; v1(37.28,29.66) 37.03,29.92 ; v1(11.88,14.42) 12.14,14.17 ; v1(11.88,14.42) 12.14,14.68 ; v1(11.88,14.42) 11.63,14.68 ; v1(11.88,14.42) 11.63,14.17 ; v1(30.93,94.43) 31.19,94.69 ; v1(30.93,94.43) 30.68,94.18 ; v1(30.93,94.43) 31.19,94.18 ; v1(30.93,94.43) 30.68,94.69 ; 87.83,95.96 v1(88.08,95.7) ; v1(88.08,95.7) 88.34,95.96 ; v1(88.08,95.7) 87.83,95.45 ; v1(88.08,95.7) 88.34,95.45 ; v1(77.14,9.73) 77.14,10.11 77.17,10.13 77.3,10.13 81.02,13.85 81.02,13.99 v1(81.25,14.22) 81.61,14.22 82.37,14.99 ; v1(84.94,13.77) 83.62,15.09 83.54,15.09 v1(83.01,15.62) 82.37,14.99 ; v1(59.82,54.03) v1(62.33,56.54) 66.98,56.54 67.01,56.52 v1(67.39,56.52) v1(69.19,56.52) ; v1(44.9,94.43) 45.16,94.18 ; v1(44.9,94.43) 44.65,94.18 ; v1(44.9,94.43) 45.16,94.69 ; v1(44.9,94.43) 44.65,94.69 ; v1(83,70.3) 83.26,70.56 ; v1(83,70.3) 82.75,70.05 ; v1(83,70.3) 82.75,70.56 ; v1(83,70.3) 83.26,70.05 ; 26.87,69.29 v1(27.12,69.03) ; v1(27.12,69.03) 27.38,68.78 ; v1(27.12,69.03) 26.87,68.78 ; v1(27.12,69.03) 27.38,69.29 ; 72.59,4.01 v1(72.84,4.26) ; v1(72.84,4.26) 73.1,4.01 ; v1(72.84,4.26) 72.59,4.52 ; v1(72.84,4.26) 73.1,4.52 ; v1(58.87,93.16) 59.13,92.91 ; v1(58.87,93.16) 59.13,93.42 ; v1(58.87,93.16) 58.62,92.91 ; v1(58.87,93.16) 58.62,93.42 ; v1(61.41,61.41) 61.67,61.67 ; v1(61.41,61.41) 61.67,61.16 ; v1(61.41,61.41) 61.16,61.67 ; v1(61.41,61.41) 61.16,61.16 ; 4.01,14.68 v1(4.26,14.42) ; v1(4.26,14.42) 4.52,14.17 ; v1(4.26,14.42) 4.01,14.17 ; v1(4.26,14.42) 4.52,14.68 ; 